# Altium PCB MiniPC.PcbDoc (part 20 of 22)
Units mm, origin at the board's own origin, x right, y up, seen from the top; angles counter-clockwise.
Board outline 175 x 155 mm, 16 copper layers (1_Top, 2_int1_(gnd), 3_int2_(power), 4_int3_(gnd), 5_int4_(sign), 6_int5_(power), 7_int6_(sign), 8_int7_(power), 9_int8_(gnd), 10_int9_(sign), 11_int10_(gnd), 12_int11_(sign), 13_int12_(gnd), 14_int13_(power), 15_int14_(gnd), 16_Bottom), stack 2.008 mm thick; 1046 components, 837 nets, 6010 pads, 4009 vias.
Unrouted connection lines stored in the file: 575.
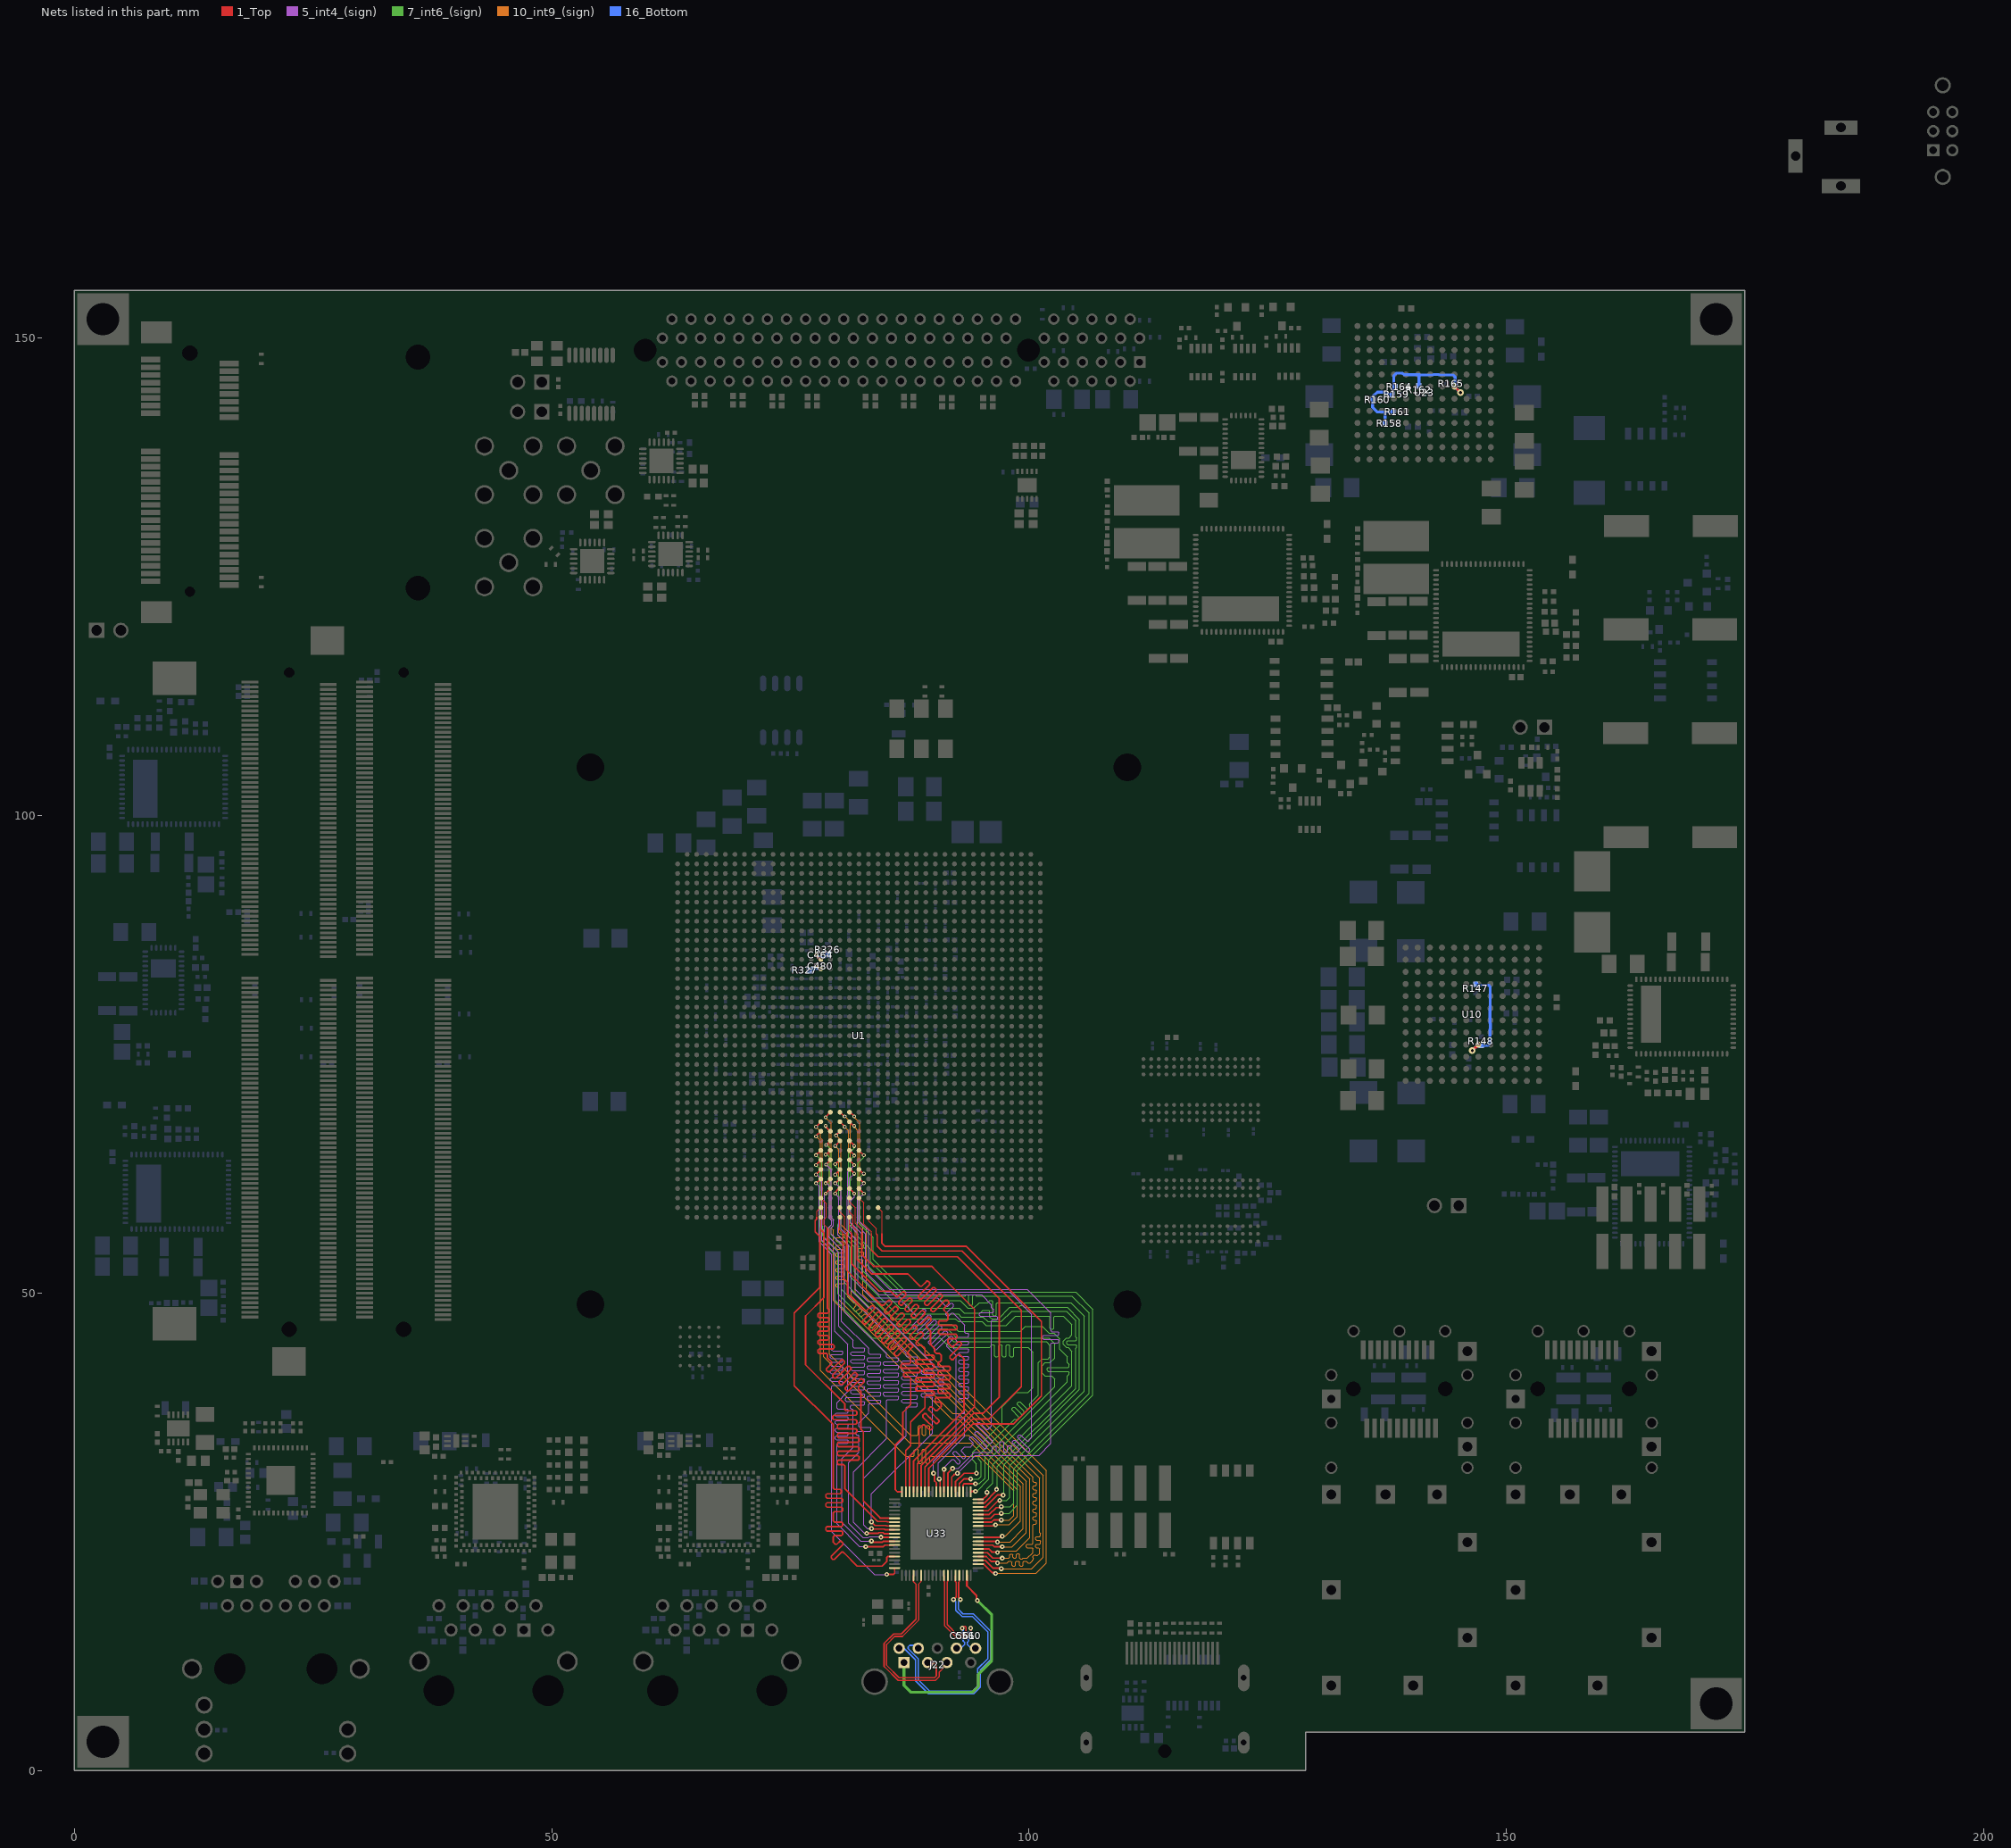
[diagram p34: the nets of this part, all layers, seen from the top]

## Via types
v1: diameter 0.4, hole 0.2, 1_Top to 16_Bottom, tented both sides, 1658 vias
v2: diameter 0.5, hole 0.2, 1_Top to 16_Bottom, tented both sides, 1014 vias
v3: diameter 0.7, hole 0.3, 1_Top to 16_Bottom, tented both sides, 915 vias
v4: diameter 0.6, hole 0.2, 1_Top to 16_Bottom, tented both sides, 278 vias
v5: diameter 0.4, hole 0.2, 1_Top to 16_Bottom, 93 vias
v6: diameter 0.4/0/0/0/0/0/0/0/0/0/0/0/0/0/0/0.4 (per signal layer), hole 0.2, 1_Top to 16_Bottom, tented both sides, 18 vias
v7: diameter 0.4/0/0/0/0/0/0/0/0/0/0/0.4/0.4/0.4/0.4/0.4 (per signal layer), hole 0.2, 1_Top to 16_Bottom, tented both sides, 16 vias
v8: diameter 0.5, hole 0.254, 1_Top to 16_Bottom, tented both sides, 15 vias
v9: diameter 0.5, hole 0.2, 1_Top to 16_Bottom, 2 vias

## Nets (pads, with @x,y where several pads share a name; then routed paths per layer and width w, separated by ;. In a path a pad name is that pad's centre, name@x,y a point inside that pad or via, vN(x,y) a via of type N, cw(c..) or ccw(c..) an arc to the next point about the centre after c; other vN are vias at no path point) (continued)
USB3_BE2: U1.AU16 U33.6 | length 63.5
  1_Top w0.1: U1.AU16@78.194,59.939 78.775,59.358 78.775,57.945 78.525,57.695 78.525,57.143 78.9,56.768
  1_Top w0.17: 78.9,56.768 78.9,48.6 78.9,48.378 78.913,48.365 79.03,48.248 79.03,48.013 78.913,47.895 78.9,47.895 78.017,47.895 77.9,47.778 77.9,47.543 78.017,47.425 78.9,47.425 78.913,47.425 79.03,47.308 79.03,47.073 78.913,46.955 78.9,46.955 78.017,46.955 77.9,46.838 77.9,46.603 78.017,46.485 78.9,46.485 78.913,46.485 79.03,46.368 79.03,46.133 78.913,46.015 78.9,46.015 78.017,46.015 77.9,45.898 77.9,45.663 78.017,45.545 78.9,45.545 78.913,45.545 79.03,45.428 79.03,45.193 78.913,45.075 78.9,45.075 78.017,45.075 77.9,44.958 77.9,44.723 78.017,44.605 78.9,44.605 79.472,44.605 79.589,44.488 79.589,44.253 79.472,44.135 78.9,44.135 78.017,44.135 77.9,44.018 77.9,43.783 78.017,43.665 78.782,43.665 78.9,43.548 78.9,43.2 79.066,43.034 79.315,42.785 79.315,42.618 78.774,42.077 78.774,41.911 78.941,41.745 79.107,41.745 79.731,42.369 80.355,42.993 80.521,42.993 80.687,42.827 80.687,42.661 80.063,42.037 79.439,41.413 79.439,41.247 79.605,41.08 79.772,41.08 80.396,41.704 81.02,42.328 81.186,42.328 81.352,42.162 81.352,41.996 80.728,41.372 80.104,40.748 80.104,40.582 80.27,40.416 80.436,40.416 81.06,41.04 81.684,41.664 81.85,41.664 82.017,41.498 82.017,41.331 81.393,40.707 80.769,40.083 80.769,39.917 80.935,39.751 81.101,39.751 81.725,40.375 82.349,40.999 82.515,40.999 82.681,40.833 82.681,40.667 82.14,40.126 82.14,39.96 82.39,39.71 82.4,39.7 82.4,39.465 82.4,39.2 82.4,35.7 82.65,35.45 82.65,28.203 84.418,26.435 85.305,26.435 85.34,26.4 U33.6@85.925,26.4
USB3_BE3: U1.AW16 U33.7 | length 62.8
  1_Top w0.1: U1.AW16@78.194,57.939 78.196,57.938 78.196,56.596
  1_Top w0.17: 78.196,56.596 78.53,56.261 78.53,49.53 76.6,47.6 76.6,42.5 80.7,38.4 80.7,37.9 80.7,37.783 80.818,37.665 81.848,37.665 81.966,37.548 81.966,37.313 81.848,37.195 80.7,37.195 79.562,37.195 79.445,37.078 79.445,36.843 79.562,36.725 80.7,36.725 81.848,36.725 81.966,36.608 81.966,36.373 81.848,36.255 80.7,36.255 80.052,36.255 79.934,36.138 79.934,35.903 80.052,35.785 80.7,35.785 81.85,35.785 81.967,35.668 81.967,35.433 81.85,35.315 80.7,35.315 80.052,35.315 79.934,35.198 79.934,34.963 80.052,34.845 80.7,34.845 82.098,34.845 82.216,34.728 82.216,34.493 82.098,34.375 80.7,34.375 80.052,34.375 79.934,34.258 79.934,34.023 80.052,33.905 80.7,33.905 82.098,33.905 82.216,33.788 82.216,33.553 82.098,33.435 80.7,33.435 80.052,33.435 79.934,33.318 79.934,33.083 80.052,32.965 80.7,32.965 82.098,32.965 82.216,32.848 82.216,32.613 82.098,32.495 80.7,32.495 80.052,32.495 79.934,32.378 79.934,32.143 80.052,32.025 80.583,32.025 80.7,31.908 80.7,31.6 80.7,29.511 84.146,26.065 85.151,26.065 85.186,26.03 85.895,26.03 U33.7@85.925,26
USB3_CLK: U1.AL17 U33.58 | length 66.8
  1_Top w0.17: v1(78.75,65.5) 78.755,65.5 U1.AL17@79.194,65.939 ; U33.58@93.9,29.175 93.95,29.225 v2(94.4,29.225)
  7_int6_(sign) w0.1: v1(78.75,65.5) 78.8,65.5 79.3,65 79.3,57.878 79.525,57.653 79.525,57.072 79.3,56.847 79.3,56.1 80.7,54.7 80.7,51.1 85.1,46.7 91.9,46.7 92.6,46 99.1,46 99.6,46.5 101.4,46.5 102.1,45.8 102.6,45.8 103.2,45.2 103.2,44.1 104,43.3 104,42.8 104,42.7 104.1,42.6 104.2,42.5 104.2,42.3 104.1,42.2 104,42.2 102.014,42.2 101.914,42.1 101.914,41.9 102.014,41.8 104,41.8 104.1,41.8 104.2,41.7 104.2,41.5 104.1,41.4 104,41.3 104,40.7 95.8,32.5 95.8,30.5 94.525,29.225 v2(94.4,29.225)
USB3_D0: U1.AH19 U33.40 | length 63.8
  1_Top w0.17: U1.AH19@81.194,68.939 81.261,68.939 v1(81.7,68.5) ; U33.40@94.675,21.6 95.284,21.6 96.179,20.704 96.421,20.704 v2(96.5,20.625)
  10_int9_(sign) w0.1: v1(81.7,68.5) 81.7,68.4 82.3,67.8 82.3,57.483 83,56.783 83,50.2 101.8,31.4 101.8,21.7 100.725,20.625 v2(96.5,20.625)
USB3_D1: U1.AJ19 U33.41 | length 63.6
  1_Top w0.17: U1.AJ19@81.194,67.939 81.633,67.5 v1(81.7,67.5) ; U33.41@94.675,22 95.407,22 96.207,21.2 97.025,21.2 v2(97.1,21.125)
  10_int9_(sign) w0.1: v1(81.7,67.5) 81.7,67.4 82.1,67 82.1,57.4 82.6,56.9 82.6,55.3 82.6,55.1 82.7,55 82.7,54.8 82.6,54.7 82.2,54.7 82.1,54.6 82.1,54.4 82.2,54.3 82.6,54.3 82.7,54.2 82.7,54 82.6,53.9 82.2,53.9 82.1,53.8 82.1,53.6 82.2,53.5 82.5,53.5 82.6,53.4 82.6,53.3 82.6,49.8 101.5,30.9 101.5,22.324 100.276,21.1 97.125,21.1 v2(97.1,21.125)
USB3_D2: U1.AH18 U33.42 | length 65.6
  1_Top w0.17: U1.AH18@80.194,68.939 80.633,68.5 v1(80.7,68.5) ; U33.42@94.675,22.4 95.53,22.4 96.055,21.875 96.55,21.875 v2(96.7,21.725)
  10_int9_(sign) w0.1: v1(80.7,68.5) 81.3,67.9 81.3,57.3 81.8,56.8 81.8,49.9 101.1,30.6 101.1,25.1 101.1,24.9 101.2,24.8 101.2,24.6 101.1,24.5 100.8,24.5 100.7,24.4 100.7,24.2 100.8,24.1 101.1,24.1 101.2,24 101.2,23.8 101.1,23.7 100.8,23.7 100.7,23.6 100.7,23.4 100.8,23.3 101,23.3 101.1,23.2 101.1,22.9 101.1,22.7 100.903,22.503 100.761,22.503 100.715,22.549 100.573,22.549 100.432,22.408 100.432,22.266 100.479,22.22 100.479,22.079 100.266,21.866 100.125,21.725 99.9,21.725 99.8,21.825 99.7,21.925 99.5,21.925 99.4,21.825 99.4,21.725 99.4,21.5 99.3,21.4 99.1,21.4 99,21.5 99,21.725 99,21.825 98.9,21.925 98.7,21.925 98.6,21.825 98.6,21.725 98.6,21.5 98.5,21.4 98.3,21.4 98.2,21.5 98.2,21.725 98.2,21.825 98.1,21.925 97.9,21.925 97.8,21.825 97.7,21.725 97.6,21.725 v2(96.7,21.725)
USB3_D3: U1.AJ18 U33.43 | length 65.8
  1_Top w0.17: U1.AJ18@80.194,67.939 80.7,67.433 v1(80.7,67.4) ; U33.43@94.675,22.8 95.653,22.8 96.208,22.245 97.18,22.245 v2(97.2,22.225)
  10_int9_(sign) w0.1: v1(80.7,67.4) 81.1,67 81.1,57.2 81.4,56.9 81.4,49.7 100.4,30.7 100.4,30.4 100.4,30.3 100.5,30.2 100.7,30.2 100.8,30.1 100.8,29.9 100.7,29.8 100.5,29.8 100.4,29.7 100.4,29.5 100.5,29.4 100.7,29.4 100.8,29.3 100.8,29.1 100.7,29 100.5,29 100.4,28.9 100.4,28.7 100.5,28.6 100.7,28.6 100.8,28.5 100.8,28.3 100.7,28.2 100.5,28.2 100.4,28.1 100.4,27.9 100.5,27.8 100.7,27.8 100.8,27.7 100.8,27.5 100.7,27.4 100.5,27.4 100.4,27.3 100.4,27.1 100.5,27 100.7,27 100.8,26.9 100.8,26.7 100.7,26.6 100.5,26.6 100.4,26.5 100.4,26.3 100.5,26.2 100.7,26.2 100.8,26.1 100.8,25.9 100.7,25.8 100.5,25.8 100.4,25.7 100.4,25.5 100.4,24.1 100.4,24.025 100.4,23.762 100.312,23.675 99.799,23.675 99.712,23.587 99.712,23.412 99.799,23.325 100.312,23.325 100.4,23.237 100.4,22.975 100.4,22.8 99.825,22.225 99.725,22.225 99.376,22.225 ; v2(97.2,22.225) 97.8,22.225 97.887,22.225 97.975,22.313 97.975,22.588 98.062,22.675 98.237,22.675 98.325,22.588 98.325,22.313 98.412,22.225 98.587,22.225 98.675,22.313 98.675,22.601 98.762,22.688 98.937,22.688 99.025,22.601 99.025,22.225 ; 99.025,22.224 99.112,22.137 99.287,22.137 99.375,22.224
USB3_D4: U1.AK18 U33.44 | length 65.6
  1_Top w0.17: v1(79.8,66.5) 79.8,66.545 U1.AK18@80.194,66.939 ; U33.44@94.675,23.2 95.777,23.2 96.104,22.872 96.653,22.872 v2(96.7,22.825)
  10_int9_(sign) w0.1: v1(79.8,66.5) 80.3,66 80.3,57.139 81,56.439 81,49.6 81.5,49.1 81.641,48.959 81.717,48.959 81.924,48.752 81.924,48.676 81.607,48.359 81.607,48.217 81.749,48.076 81.89,48.076 82.207,48.393 82.283,48.393 82.49,48.186 82.49,48.11 82.173,47.793 82.173,47.651 82.314,47.51 82.456,47.51 82.773,47.827 82.849,47.827 83.056,47.62 83.056,47.544 82.738,47.227 82.738,47.086 82.88,46.944 83.021,46.944 83.338,47.262 83.414,47.262 83.621,47.054 83.621,46.979 83.304,46.661 83.304,46.52 83.446,46.379 83.587,46.379 83.904,46.696 83.98,46.696 84.187,46.489 84.187,46.413 83.87,46.096 83.87,45.954 84.011,45.813 84.153,45.813 84.47,46.13 84.546,46.13 84.753,45.923 84.753,45.847 84.436,45.53 84.436,45.389 84.577,45.247 84.718,45.247 85.036,45.564 85.111,45.564 85.318,45.357 85.318,45.282 85.001,44.964 85.001,44.823 85.143,44.682 85.284,44.682 85.601,44.999 85.677,44.999 85.884,44.792 85.884,44.716 85.567,44.399 85.567,44.257 85.708,44.116 85.85,44.116 86.167,44.433 86.243,44.433 86.45,44.226 86.45,44.15 86.8,43.8 100.1,30.5 100.1,24.4 98.675,22.975 96.85,22.975 v2(96.7,22.825)
USB3_D5: U1.AL18 U33.45 | length 66.4
  1_Top w0.17: v1(79.7,65.4) 80.194,65.894 U1.AL18@80.194,65.939 ; U33.45@94.675,23.6 96.2,23.6 96.375,23.425 v2(97.2,23.425)
  10_int9_(sign) w0.1: v1(79.7,65.4) 80.1,65 80.1,56.4 80.1,56.3 80.2,56.2 80.6,56.2 80.7,56.1 80.7,55.9 80.6,55.8 80.1,55.8 79.9,55.8 79.8,55.7 79.8,55.5 79.9,55.4 80.1,55.4 80.6,55.4 80.7,55.3 80.7,55.1 80.6,55 80.1,55 79.9,55 79.8,54.9 79.8,54.7 79.9,54.6 80.1,54.6 80.6,54.6 80.7,54.5 80.7,54.3 80.6,54.2 80.1,54.2 79.9,54.2 79.8,54.1 79.8,53.9 79.9,53.8 80.1,53.8 80.6,53.8 80.7,53.7 80.7,53.5 80.6,53.4 80.1,53.4 79.9,53.4 79.8,53.3 79.8,53.1 79.9,53 80.1,53 80.6,53 80.7,52.9 80.7,52.7 80.6,52.6 80.1,52.6 79.9,52.6 79.8,52.5 79.8,52.3 79.9,52.2 80.1,52.2 80.6,52.2 80.7,52.1 80.7,51.9 80.6,51.8 80.1,51.8 79.9,51.8 79.8,51.7 79.8,51.5 79.9,51.4 80.1,51.4 80.6,51.4 80.7,51.3 80.7,51.1 80.6,51 80.1,51 79.9,51 79.8,50.9 79.8,50.7 79.9,50.6 80,50.6 80.1,50.5 80.1,50.4 80.1,49.3 92,37.4 92.6,37.4 99.7,30.3 99.7,24.9 98.225,23.425 v2(97.2,23.425)
USB3_D6: U1.AH17 U33.46 | length 58.3
  1_Top w0.17: v1(78.7,68.4) 78.7,68.445 U1.AH17@79.194,68.939 ; U33.46@94.675,24 96.625,24 v2(96.7,23.925)
  10_int9_(sign) w0.1: v1(78.7,68.4) 79.3,67.8 79.3,57.878 79.525,57.653 79.525,57.072 79.3,56.847 79.3,56.8 79.5,56.6 79.5,49.2 91.9,36.8 92.6,36.8 99.4,30 99.4,25.3 98.025,23.925 v2(96.7,23.925)
USB3_D7: U1.AK17 U33.47 | length 63
  1_Top w0.17: v1(78.7,67.5) 78.7,67.433 U1.AK17@79.194,66.939 ; U33.47@94.675,24.4 94.685,24.41 97.085,24.41 v2(97.2,24.525)
  10_int9_(sign) w0.1: v1(78.7,67.5) 78.7,67.4 79.1,67 79.1,57.795 79.325,57.57 79.325,57.155 79.1,56.93 79.1,43.6 87.6,35.1 88.2,35.1 88.3,35.1 88.4,35.2 88.4,36 88.5,36.1 88.7,36.1 88.8,36 88.8,35.2 88.9,35.1 89.1,35.1 89.2,35.2 89.2,36 89.3,36.1 89.5,36.1 89.6,36 89.6,35.2 89.7,35.1 89.9,35.1 93.7,35.1 99.1,29.7 99.1,26.1 97.525,24.525 v2(97.2,24.525)
USB3_D8: U1.AJ16 U33.50 | length 58.6
  1_Top w0.17: v1(77.7,67.4) 78.194,67.894 U1.AJ16@78.194,67.939 ; U33.50@94.675,25.6 96.375,25.6 v2(96.5,25.725)
  10_int9_(sign) w0.1: v1(77.7,67.4) 78.155,66.945 78.155,66.245 78.35,66.05 78.35,56.75 78.5,56.6 78.5,43.3 87.5,34.3 93.9,34.3 98.8,29.4 98.8,26.6 97.925,25.725 v2(96.5,25.725)
USB3_D9: U1.AK16 U33.51 | length 63.1
  1_Top w0.17: v1(77.7,66.4) 77.7,66.445 U1.AK16@78.194,66.939 ; U33.51@94.675,26 96.089,26 96.314,26.225 v2(97.1,26.225)
  10_int9_(sign) w0.1: v1(77.7,66.4) 78.15,65.95 78.15,41.85 87.1,32.9 87.8,32.9 87.9,32.9 88,33 88,33.566 88.1,33.666 88.3,33.666 88.4,33.566 88.4,32.9 88.4,32.234 88.5,32.134 88.7,32.134 88.8,32.234 88.8,32.9 88.8,33.566 88.9,33.666 89.1,33.666 89.2,33.566 89.2,32.9 89.2,32.234 89.3,32.134 89.5,32.134 89.6,32.234 89.6,32.9 94.8,32.9 98.4,29.3 98.4,26.7 97.925,26.225 v2(97.1,26.225)
USB3_D10: U1.AP20 U33.52 | length 64.1
  1_Top w0.17: U1.AP20@82.194,62.939 82.633,62.5 v1(82.7,62.5) ; U33.52@94.675,26.4 95.966,26.4 96.391,26.825 96.993,26.825 97.096,26.929 v2@97.1,26.932
  7_int6_(sign) w0.1: v1(82.7,62.5) 82.3,62.1 82.3,57.2 83.7,55.8 83.7,53.5 87.1,50.1 104.9,50.1 106.7,48.3 106.7,39.3 98.8,31.4 98.8,27.8 97.925,26.925 v2(97.1,26.925)
USB3_D11: U1.AM20 U33.53 | length 67.3
  1_Top w0.17: U1.AM20@82.194,64.939 v1(82.7,64.433) ; U33.53@94.675,26.8 95.843,26.8 96.567,27.525 97,27.525 v2(97.1,27.625)
  7_int6_(sign) w0.1: v1(82.7,64.433) 82.7,64.2 82.1,63.6 82.1,57.554 82,57.454 82,56 83.4,54.6 83.4,53.3 87,49.7 93.1,49.7 93.3,49.7 93.4,49.8 93.6,49.8 93.7,49.7 93.7,48.817 93.8,48.717 94,48.717 94.1,48.817 94.1,49.7 94.2,49.8 94.4,49.8 94.5,49.7 95.4,49.7 104.5,49.7 106.3,47.9 106.3,39.5 98.4,31.6 98.4,28 98.025,27.625 v2(97.1,27.625)
USB3_D12: U1.AM19 U33.54 | length 67.4
  1_Top w0.17: U1.AM19@81.194,64.939 81.7,64.433 v1(81.7,64.4) ; U33.54@94.675,27.2 95.719,27.2 96.794,28.275 v2(96.931,28.275)
  7_int6_(sign) w0.1: v1(81.7,64.4) 81.3,64 81.3,57.339 81.4,57.239 81.4,56.1 82.9,54.6 82.9,53.089 86.789,49.2 92.8,49.2 93.583,48.417 94.217,48.417 94.793,48.993 95.6,48.993 95.7,48.993 95.8,49.093 95.9,49.193 96.1,49.193 96.2,49.093 96.2,48.993 96.2,47.739 96.3,47.639 96.5,47.639 96.6,47.739 96.6,48.893 96.7,48.993 96.8,48.993 104.407,48.993 105.8,47.6 105.8,39.7 98,31.9 98,28.6 97.675,28.275 v2(96.931,28.275)
USB3_D13: U1.AL19 U33.55 | length 67.1
  1_Top w0.17: U1.AL19@81.194,65.939 81.7,65.433 v1(81.7,65.4) ; U33.55@94.675,27.6 95.475,27.6 96.737,28.863 97.263,28.863 v2(97.3,28.825)
  7_int6_(sign) w0.1: v1(81.7,65.4) 81.7,65.2 81.1,64.6 81.1,55.9 82.2,54.8 82.2,52.7 86.5,48.4 86.9,48.4 86.987,48.4 87.075,48.488 87.075,48.732 87.162,48.82 87.337,48.82 87.425,48.732 87.425,48.4 87.425,48.268 87.512,48.18 87.687,48.18 87.775,48.268 87.775,48.312 87.862,48.4 88.5,48.4 92.7,48.4 93.2,47.9 94.9,47.9 95.2,48.2 95.8,48.2 95.9,48.1 95.9,47.5 96.1,47.3 96.8,47.3 98,48.5 98.8,48.5 98.907,48.5 99,48.593 99.1,48.693 99.3,48.693 99.4,48.593 99.493,48.5 99.6,48.5 104,48.5 105.3,47.2 105.3,39.9 97.4,32 97.4,28.925 v2(97.3,28.825)
USB3_D14: U1.AN18 U33.56 | length 64.7
  1_Top w0.17: v1(79.7,63.5) 79.755,63.5 U1.AN18@80.194,63.939 ; U33.56@94.675,28 95.323,28 96.6,29.277 v2(96.6,29.425)
  7_int6_(sign) w0.1: v1(79.7,63.5) 79.7,63.288 80.3,62.688 80.3,57.2 80.3,56.2 81.7,54.8 81.7,52.2 86.1,47.8 92.6,47.8 92.9,47.5 95.2,47.5 95.7,47 97.1,47 98.2,48.1 103.9,48.1 104.9,47.1 104.9,45.6 104.9,45.4 105,45.3 105,45.1 104.9,45 104.049,45 103.949,44.9 103.949,44.7 104.049,44.6 104.9,44.6 105,44.5 105,44.3 104.9,44.2 104.9,44 104.9,40 96.7,31.8 96.7,29.525 v2(96.6,29.425)
USB3_D15: U1.AP18 U33.57 | length 64.6
  1_Top w0.17: v1(79.7,62.4) 80.194,62.894 U1.AP18@80.194,62.939 ; U33.57@94.675,28.4 95.2,28.4 95.6,28.8 v2(95.6,29.125)
  7_int6_(sign) w0.1: v1(79.7,62.4) 79.8,62.4 80.1,62.1 80.1,57.283 80,57.183 80,56.076 81.3,54.776 81.3,51.7 85.7,47.3 92.3,47.3 92.6,47 95.1,47 95.5,46.6 97.6,46.6 98.6,47.6 101.2,47.6 101.4,47.6 101.6,47.6 101.8,47.6 102.1,47.6 102.2,47.5 102.2,46.319 102.3,46.219 102.5,46.219 102.6,46.319 102.6,47.5 102.7,47.6 103.6,47.6 104.5,46.7 104.5,45.6 104.2,45.3 103.925,45.3 103.6,44.975 103.6,44.625 103.925,44.3 104.1,44.3 104.5,43.9 104.5,40.3 96.2,32 96.2,30.1 95.6,29.5 v2(95.6,29.125)
USB3_D16: U1.AM17 U33.60 | length 63.2
  1_Top w0.17: v1(78.7,64.5) 78.755,64.5 U1.AM17@79.194,64.939 ; U33.60@93.115,28.81 93.1,28.825 U33.60@93.1,29.175 93.1,29.912 93.213,30.025 v2(94.4,30.025)
  7_int6_(sign) w0.1: v1(78.7,64.5) 78.8,64.5 79.1,64.2 79.1,57.795 79.325,57.57 79.325,57.155 79.095,56.925 79.071,56.925 78.9,56.754 78.9,55.983 80.383,54.5 80.383,50.4 84.583,46.2 91.5,46.2 92.4,45.3 102.1,45.3 102.7,44.7 102.7,43.2 102.2,42.7 101.7,42.7 101.4,42.4 101.4,41.6 101.7,41.3 102.4,41.3 102.7,41 102.7,40.2 95.4,32.9 95.4,30.6 94.825,30.025 v2(94.4,30.025)
USB3_D17: U1.AM16 U33.61 | length 66.2
  1_Top w0.17: v1(77.7,64.445) U1.AM16@78.194,64.939 ; U33.61@92.7,29.175 92.7,30.038 93.187,30.525 v2(93.9,30.525)
  7_int6_(sign) w0.1: v1(77.7,64.445) 78.3,63.845 78.3,60.039 78.3,57.085 78.4,56.985 78.4,56 80,54.4 80,49.9 84.1,45.8 91.2,45.8 92.1,44.9 101.8,44.9 102.2,44.5 102.2,43.3 102,43.1 101.4,43.1 101,42.7 101,39.3 100.1,38.4 100.029,38.329 100.029,38.188 100.067,38.151 100.067,38.009 99.925,37.868 99.784,37.868 99.676,37.976 99.049,38.603 98.907,38.603 98.766,38.461 98.766,38.32 99.393,37.693 99.501,37.585 99.501,37.444 99.359,37.302 99.218,37.302 99.11,37.41 98.483,38.037 98.341,38.037 98.2,37.896 98.2,37.754 98.827,37.127 98.935,37.019 98.935,36.878 98.794,36.736 98.652,36.736 98.589,36.8 98.5,36.8 94.7,33 94.7,32.6 95,32.3 95,30.8 94.725,30.525 v2(93.9,30.525)
USB3_D18: U1.AN16 U33.62 | length 65.5
  1_Top w0.17: v1(77.7,63.4) 77.7,63.445 U1.AN16@78.194,63.939 ; U33.62@92.3,29.175 92.3,30.225 93.2,31.125 v2(94.5,31.125)
  7_int6_(sign) w0.1: v1(77.7,63.4) 78.1,63 78.1,56.961 78.05,56.911 78.05,55.65 79.7,54 79.7,49.2 83.6,45.3 90.7,45.3 91.7,44.3 95.8,44.3 95.9,44.3 96,44.4 96,44.5 96.1,44.6 96.3,44.6 96.4,44.5 96.4,44.3 96.4,43.4 96.5,43.3 96.7,43.3 96.8,43.4 96.8,44.3 96.8,44.5 96.9,44.6 97.1,44.6 97.2,44.5 97.2,44.3 97.2,43.4 97.3,43.3 97.5,43.3 97.6,43.4 97.6,44.3 97.6,44.5 97.7,44.6 97.9,44.6 98,44.5 98,44.3 98,43.4 98.1,43.3 98.3,43.3 98.4,43.4 98.4,44.2 98.5,44.3 98.7,44.3 99.9,44.3 100.4,43.8 100.4,40.1 99.9,39.6 98.7,39.6 97.2,38.1 97.2,36.4 94.1,33.3 94.1,32.5 94.5,32.1 v2(94.5,31.125)
USB3_D19: U1.AT20 U33.63 | length 61.8
  1_Top w0.17: U1.AT20@82.194,60.939 82.7,60.433 v1(82.7,60.4) ; U33.63@91.9,29.175 91.9,30.725 92.175,31 92.375,31 v2(92.5,31.125)
  5_int4_(sign) w0.1: v1(82.7,60.4) 82.25,59.95 82.25,57.489 83.2,56.539 83.2,52.6 85.4,50.4 99.79,50.4 102.3,47.89 102.3,46.16 102.3,46.06 102.4,45.96 103.042,45.96 103.142,45.86 103.142,45.66 103.042,45.56 102.3,45.56 101.558,45.56 101.458,45.46 101.458,45.26 101.558,45.16 102.3,45.16 103.042,45.16 103.142,45.06 103.142,44.86 103.042,44.76 102.4,44.76 102.3,44.66 102.3,43.56 102.3,34.23 101.07,33 94.4,33 92.525,31.125 v2(92.5,31.125)
USB3_D20: U1.AR20 U33.64 | length 65.1
  1_Top w0.17: U1.AR20@82.194,61.939 82.261,61.939 v1(82.7,61.5) ; U33.64@91.5,29.175 91.5,31.125 v2(92,31.625)
  5_int4_(sign) w0.1: v1(82.7,61.5) 82.2,61 82.2,60.183 82.05,60.033 82.05,57.05 82.9,56.2 82.9,52.2 85,50.1 97.97,50.1 100.3,47.77 100.3,37.01 100.3,36.81 100.3,36.41 100.3,36.01 100.3,35.61 100.3,35.21 100.3,34.84 100.159,34.699 99.946,34.486 99.805,34.486 99.13,35.161 98.989,35.161 98.848,35.02 98.848,34.878 99.593,34.133 100.072,33.654 100.072,33.512 99.931,33.371 99.789,33.371 99.31,33.85 98.565,34.595 98.423,34.595 98.282,34.454 98.282,34.312 98.957,33.638 98.957,33.496 98.76,33.3 98.56,33.3 98.26,33.3 98.16,33.4 98.16,33.91 98.06,34.01 97.86,34.01 97.76,33.91 97.76,33.4 97.66,33.3 97.46,33.3 97.36,33.4 97.36,34.354 97.26,34.454 97.06,34.454 96.96,34.354 96.96,33.4 96.86,33.3 96.66,33.3 96.56,33.4 96.56,33.862 96.46,33.962 96.26,33.962 96.16,33.862 96.16,33.4 96.06,33.3 95.14,33.3 94.276,33.3 92.601,31.625 v2(92,31.625)